# KiCad board panel.kicad_pcb (continued)
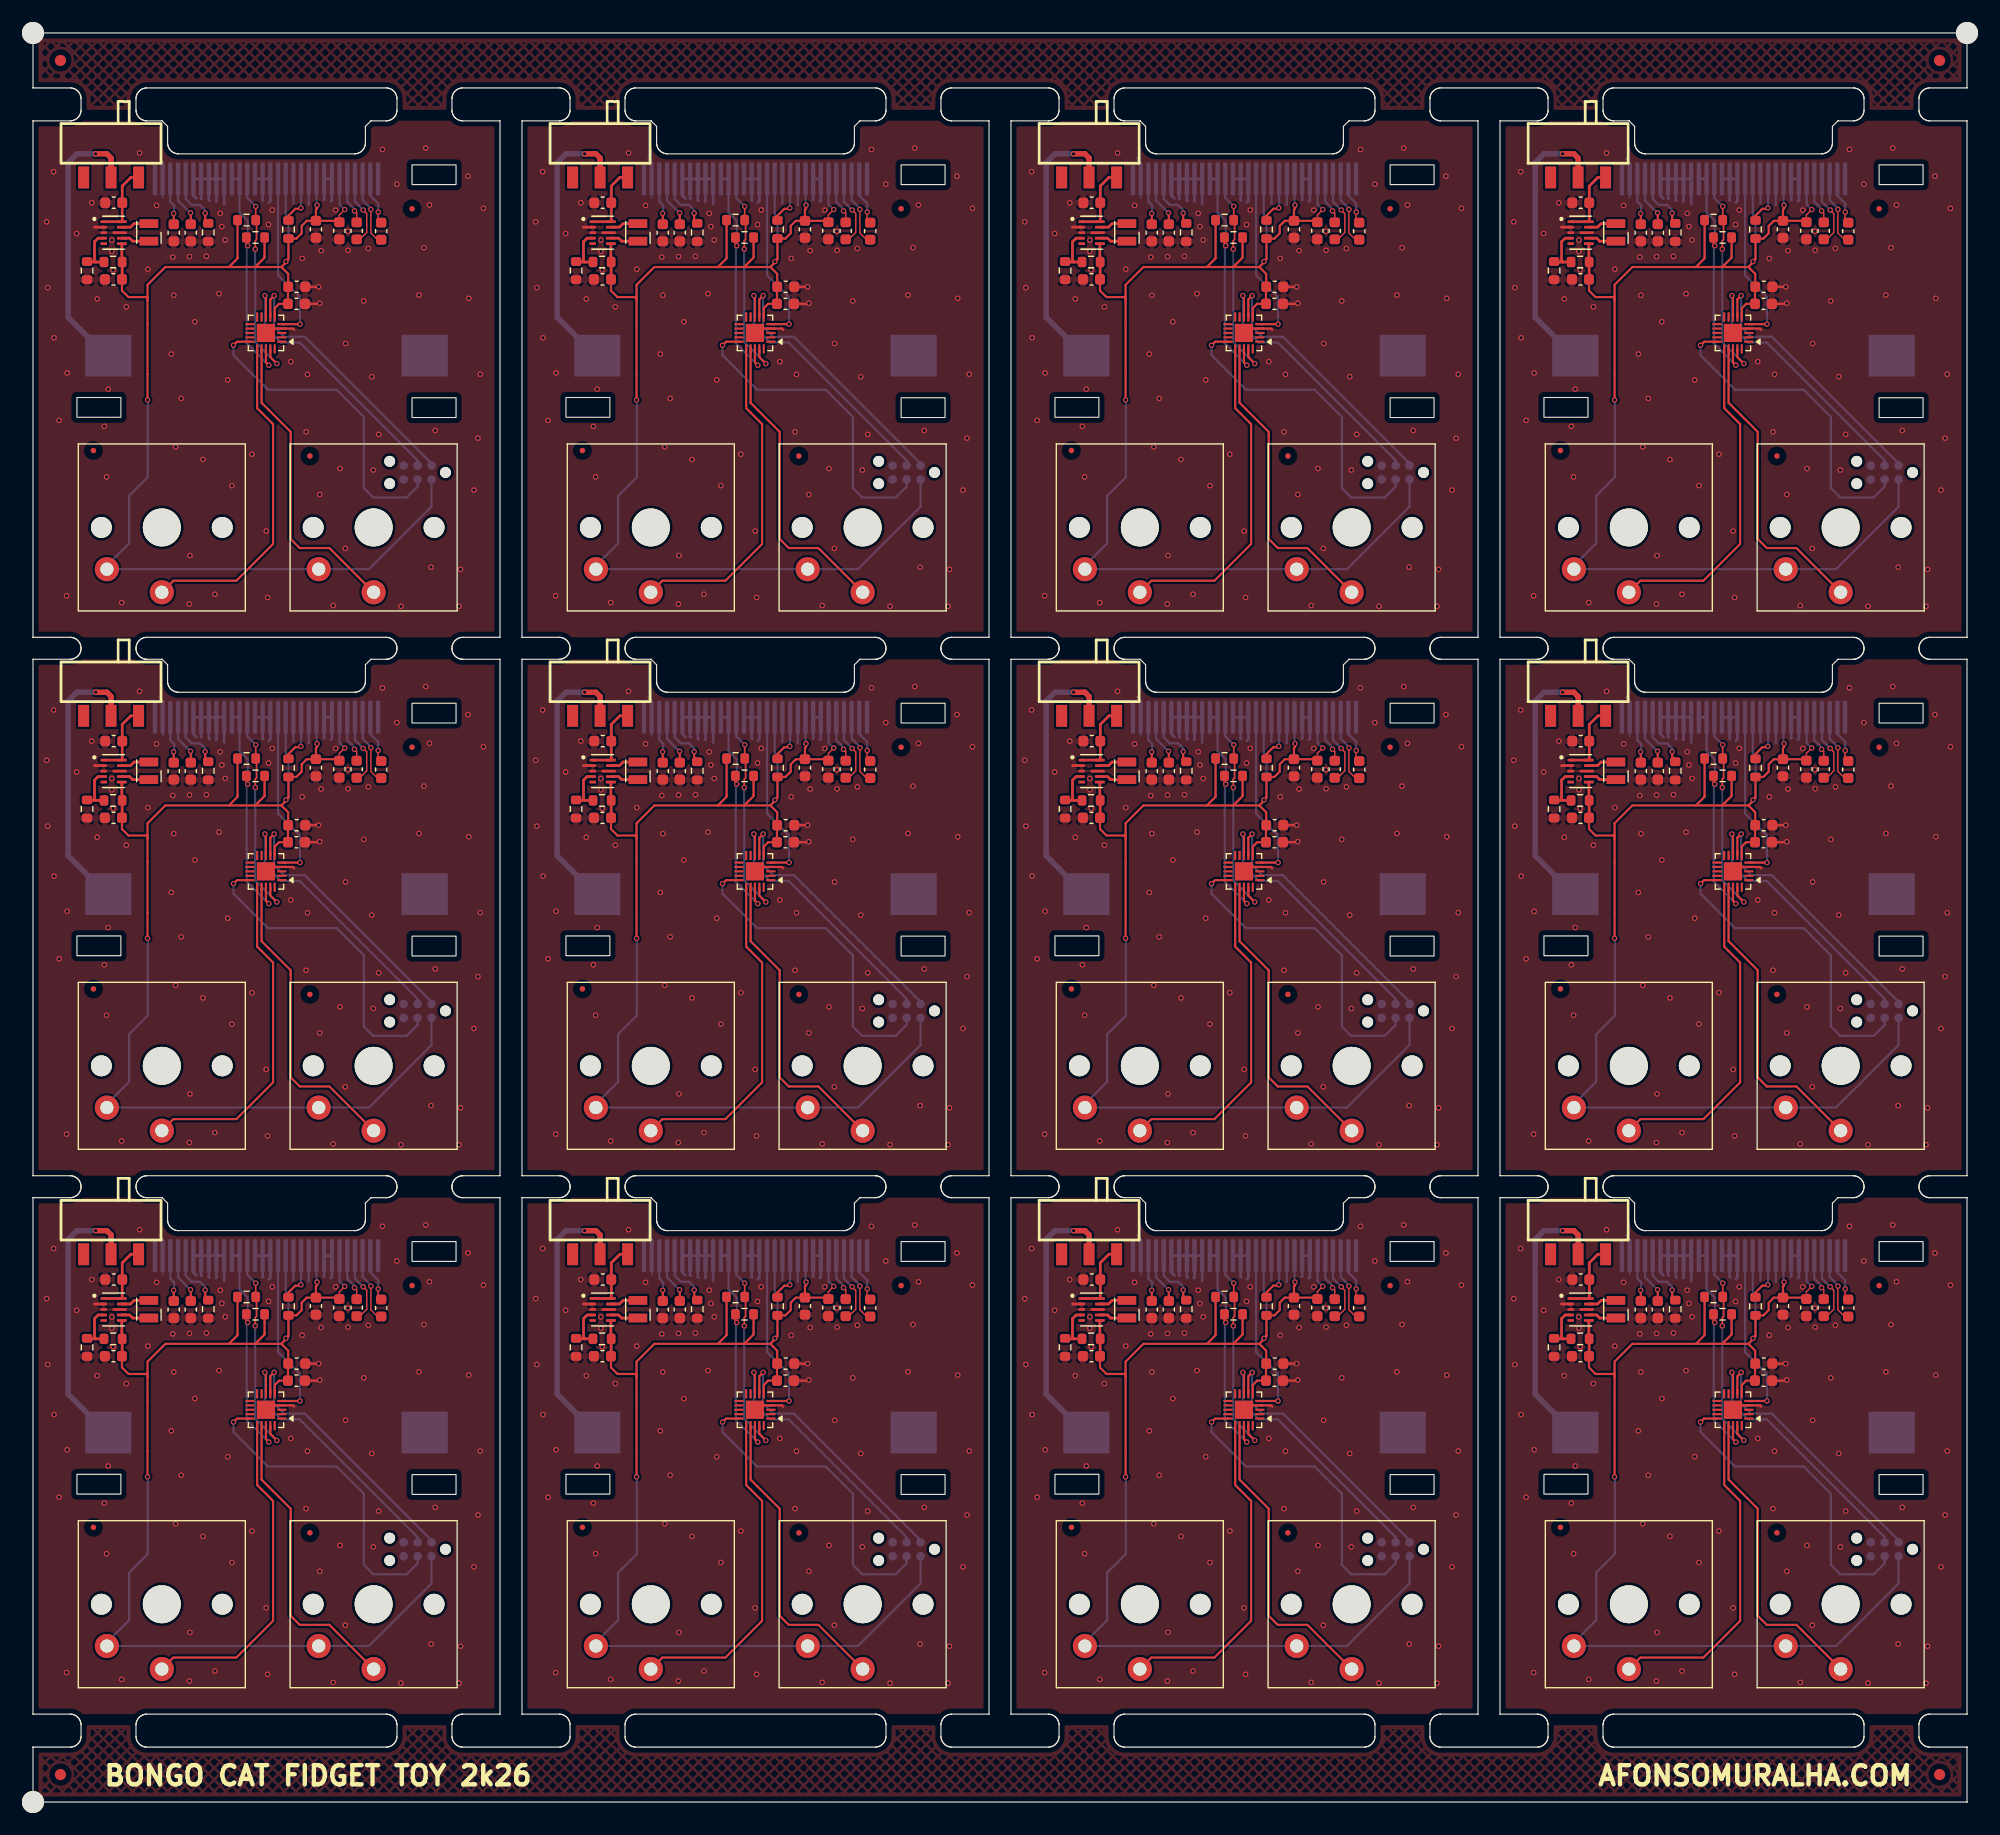
[diagram p0: board, top side]
## Routing (per net, layer and track width the routed paths; a pad name or vN(x,y) marks a point on that pad's centre or on a via; arc(x,y) is an arc through that point) (continued)
Board_0-/SDA: length 21.4
  Top w0.127: 19.55,142.56 19.64,142.65
  Top w0.152: v1(19.54,141.64) 19.42,141.76 R12#6.1
  Top w0.2: v1(21.46,130.76) 21.2,131.02 U2#5.18
  Bottom w0.127: 19.52,141.63 19.5,141.65
  Bottom w0.2: v1(19.54,141.64) 19.54,143.91 18.8,144.65 J1#10.19 ; v1(19.54,141.64) 19.45,141.55 19.45,132.77 v1(21.46,130.76) ; v1(19.54,141.64) 19.54,141.59
  Bottom w0.25: J1#10.20 J1#10.19
Board_0-/SW1: length 30.3
  Top w0.2: SW1.1 12.78,111.15 18.51,111.15 21.85,114.49 21.85,125.4 20.4,126.85 U2#5.16
Board_0-/SW2: length 28
  Top w0.2: U2#5.17 20.8,127.35 23.45,124.7 23.45,114.95 24.28,114.13 26.97,114.13 SW2#10.1
Board_0-/SWCLK: length 24.2
  Top w0.2: v1(21.1,137.1) 21.2,137 U2#5.8
  Bottom w0.2: v1(21.1,137.1) 21.1,134.3 22.58,132.83 24.28,132.83 35,122.1 J4#12.4
Board_0-/SWDIO: length 24.6
  Top w0.2: v1(21.95,137.1) 21.6,136.75 U2#5.7
  Bottom w0.2: v1(21.95,137.1) 21.95,134.25 22.85,133.35 24.74,133.35 36.27,121.82 J4#12.2
Board_0-GND: length 38.1
  Top w0.2: C3#9.2 v1(26,137.9) ; C4#12.2 26.05,136.35 v1(26.1,136.4) ; 23.77,133.98 23.65,134.1 U2#5.4 21.6,134.1 U2#5.21
  Top w0.25: 5.6,143.33 U101#12.2 ; 6.5,138.39 6.58,138.31
  Bottom w0.127: 11.8,146 11.8,149.25 11.45,149.6 ; 28.51,141.22 28.6,141.31
  Bottom w0.2: J1#10.12 23.7,145.53 23.67,145.5 ; J1#10.10 25.1,145.38 25.08,145.35
  Bottom w0.25: 17.4,145.43 J1#10.21 J1#10.22 ; 16.08,145.73 16,145.8 J1#10.23 ; J1#10.17 J1#10.16 ; J1#10.16 J1#10.15 21.6,145.73 21.45,145.58 ; J1#10.16 20.9,145.8 20.95,145.75 ; 14.88,145.93 14.6,146.2 J1#10.25 J1#10.24 ; 26.47,145.8 26.5,145.83 J1#10.8 J1#10.7 27.2,145.78 27.1,145.68 ; J1#10.24 J1#10.23 ; J1#10.24 15.3,145.95 15.35,145.9 ; J1#10.23 J1#10.22 ; J1#10.22 16.7,145.73 16.65,145.68
  vias: v1(1.25,143.81) v1(1.35,137.82) v1(1.88,148.38) v1(1.92,133.26) v1(2.38,125.74) v1(3.11,130.06) v1(3.06,109.78) v1(3.97,142.75) v1(5.35,145.55) v1(5.85,136.8) v1(6.49,125.2) v1(6.7,120.6) v1(6.85,128.58) v1(7.17,142.15) v1(7.17,141.13) v1(7.3,139.43) v1(8.07,109.16) v1(8.5,136.08) v1(9.7,150.08) v1(10.45,139.5) v1(11.25,145.3) v1(12.59,131.78) v1(12.72,140.6) v1(12.82,137.13) v1(12.99,123.33) v1(13.49,127.74) v1(14.23,109.02) v1(14.25,140.65) v1(14.29,113.44) v1(14.73,134.72) v1(15.47,122.18) v1(15.78,140.68) v1(16.56,109.92) v1(16.93,137.27) v1(17.04,144.58) v1(17.19,143.38) v1(17.49,142.16) v1(17.72,129.43) v1(18.1,119.8) v1(19.92,122.66) v1(21.22,115.67) v1(21.35,109.62) v1(21.44,143.56) v1(21.77,144.89) v1(23.46,131.09) v1(24.5,140.48) v1(24.85,124.7) v1(24.98,129.93) v1(26.1,119) v1(26.22,141.19) v1(27.32,108.89) v1(27.55,144.88) v1(27.94,121.36) v1(28.42,114.09) v1(28.45,132.74) v1(28.65,142.95) v1(28.68,141.22) v1(30.1,136.61) v1(30.52,141.39) v1(30.83,129.72) v1(30.97,121.22) v1(31.46,124.47) v1(31.8,150.4) v1(33.11,147.24) v1(33.49,108.82) v1(35.12,137.15) v1(35.58,141.46) v1(35.74,150.52) v1(36.08,145.35) v1(36.23,112.38) v1(36.61,124.82) v1(38.77,108.82) v1(38.91,112.18) v1(39.58,147.97) v1(39.66,136.85) v1(40.12,119.4) v1(40.5,124.12) v1(40.7,129.94) v1(40.99,145.04)
Board_0-Net-(BT1-+): length 25.3
  Top w0.5: SW5#9.2 7.11,149.62 6.72,150 v1(5.7,150)
  Bottom w0.5: v1(5.7,150) 4,150 3.2,149.2 3.2,135.12 6.69,131.63 BT1#11.1
Board_0-Net-(J1-Pin_2): length 4.3
  Top w0.127: v1(31.42,144.7) 31.4,144.68 31.4,143.73
  Bottom w0.2: J1#10.2 30.7,146.2 31.42,145.48 v1(31.42,144.7)
Board_0-Net-(J1-Pin_3): length 6.4
  Top w0.127: C9#9.1 31.36,142.19 30.75,142.79 v1(30.75,144.95)
  Bottom w0.2: v1(30.75,144.95) 30.75,145.04 30,145.79 J1#10.3
Board_0-Net-(J1-Pin_4): length 6.5
  Top w0.127: C8#3.2 29.75,142.22 30.37,142.84 30.37,144.57 v1(30.05,144.89)
  Bottom w0.2: J1#10.4 29.3,145.65 30.05,144.9 v1(30.05,144.89)
Board_0-Net-(J1-Pin_5): length 4.3
  Top w0.127: C8#3.1 29.46,144.61 v1(29.26,144.81)
  Bottom w0.2: v1(29.26,144.81) 29.26,144.99 28.6,145.65 J1#10.5
Board_0-Net-(J1-Pin_26): length 5
  Top w0.15: 15.67,143.9 15.65,143.88
  Top w0.2: v1(15.67,144.6) 15.67,143.9
  Bottom w0.2: v1(15.67,144.6) 15.67,144.88 15.2,145.35 14.45,145.35 13.9,145.9 J1#10.26
Board_0-Net-(J1-Pin_27): length 4.6
  Top w0.15: 14.36,144.61 v1(14.34,144.63)
  Top w0.2: C12#11.2 14.36,144.61
  Bottom w0.2: J1#10.27 13.2,145.75 14.32,144.63 v1(14.34,144.63)
Board_0-Net-(J1-Pin_28): length 4.3
  Top w0.15: 12.81,144.57 v1(12.8,144.58)
  Top w0.2: C13#12.2 12.81,144.57
  Bottom w0.2: J1#10.28 12.5,145.65 12.85,145.3 12.85,144.63 v1(12.8,144.58)
Board_0-Net-(SW5-A): length 6.7
  Top w0.25: SW5#9.3 8.9,147.85 8.12,147.08 C1#7.1 8.12,143.86 U101#12.10 U101#12.1
Board_0-Net-(U101-FB): length 4.4
  Top w0.25: U101#12.4 5.92,142.33 5.6,142 5.6,140.28 5.72,140.16 ; 5.72,140.16 R6#4.2 ; 5.72,140.16 4.97,140.16 R4#6.1
Board_0-Net-(U101-L1): length 2.6
  Top w0.25: U101#12.9 8.88,143.33 9.2,143.65 L102#10.1
Board_0-Net-(U101-L2): length 2.6
  Top w0.25: U101#12.7 8.8,142.33 9.08,142.05 9.07,142.05 L102#10.2
Board_1-3V3: length 120.2
  Top w0.127: v1(72.87,144.93) 72.38,144.44 C10#11.2 72.38,143.54
  Top w0.2: 62.33,139.7 56.55,139.7 54.92,138.08 54.92,136.65 ; 62.33,139.7 64.72,139.7 ; 62.33,139.7 63.11,140.49 R13.2 ; 64.72,139.7 65.58,140.55 R12#2.2 ; 64.72,139.7 67.1,139.7 ; 67.1,139.7 67.72,139.08 C3#8.1 67.7,137.88 C4#5.1 66.9,136.35 66.5,135.95 U2#8.6 ; 67.1,139.7 67.52,140.12 v1(67.52,140.2) 67.75,140.43 R101#6.2 ; C11#12.2 69.41,143.91 68.95,143.44 68.95,142.77 68.47,142.29 R101#6.2 ; C11#12.2 70.25,144.92 70.35,145.02 v1(70.35,145.33) ; C11#12.2 72.25,143.91 C10#11.2 ; C11#12.2 70.25,143.89 ; R101#6.2 67.72,142.27 ; C2#3.1 52.6,137.55 53.19,136.96 54.92,136.96 v1(54.92,127.6) ; 72.38,143.54 72.29,143.63
  Top w0.25: 52.58,138.58 C2#3.1 52.61,138.59 R6#9.1 52.59,140.18 U101#4.6
  Bottom w0.2: v1(54.92,127.6) 54.95,127.58 54.95,120.58 53.25,118.88 53.25,114.55 51.22,112.53 SW1#2.2 SW2#7.2 75.07,112.2 80.77,117.9 J4#2.1 ; J1#12.6 72.4,145.4 v1(72.87,144.93) ; v1(70.35,145.33) 70.3,145.38 J1#12.9 ; J1#12.13 67.5,144.2 67.75,143.95 67.75,140.43 v1(67.52,140.2)
Board_1-/BS1: length 4.5
  Top w0.2: v1(68.88,145.08) 68.8,145 68.38,145 67.75,144.38 R101#6.1
  Bottom w0.2: v1(68.88,145.08) 68.88,145.43 68.9,145.45 J1#12.11
Board_1-/OLED_RST: length 15.7
  Top w0.2: U2#8.5 v1(68.8,134.5)
  Bottom w0.2: J1#12.14 66.8,138.95 68.8,136.95 v1(68.8,134.5)
Board_1-/RST: length 29.5
  Top w0.2: v1(62.75,132.58) 63.07,132.9 U2#8.15
  Bottom w0.2: J4#2.3 79.5,119.72 78.51,118.73 75.46,118.73 74.61,119.58 74.61,126.06 72.14,128.53 65.89,128.53 62.75,131.67 v1(62.75,132.58)
Board_1-/SCL: length 19.8
  Top w0.127: v1(64.73,141.33) 64.65,141.41
  Top w0.152: v1(64.77,145.22) 64.77,144.06 64.84,143.98 64.84,142.21 64.73,142.09 v1(64.73,141.33)
  Top w0.2: v1(66.69,130.91) 66.1,131.5 U2#8.19
  Bottom w0.15: 64.7,141.45 64.72,141.43
  Bottom w0.2: v1(64.73,141.33) 64.73,132.87 v1(66.69,130.91) ; v1(64.77,145.22) 64,145.99 J1#12.18
Board_1-/SDA: length 21.4
  Top w0.127: 64.05,142.56 64.14,142.65
  Top w0.152: v1(64.04,141.64) 63.92,141.76 R12#2.1
  Top w0.2: U2#8.18 65.7,131.02 v1(65.96,130.76)
  Bottom w0.127: 64.02,141.63 64,141.65
  Bottom w0.2: v1(64.04,141.64) 63.95,141.55 63.95,132.77 v1(65.96,130.76) ; v1(64.04,141.64) 64.04,143.91 63.3,144.65 J1#12.19 ; v1(64.04,141.64) 64.04,141.59
  Bottom w0.25: J1#12.20 J1#12.19
Board_1-/SW1: length 30.3
  Top w0.2: U2#8.16 64.9,126.85 66.35,125.4 66.35,114.49 63.01,111.15 57.28,111.15 SW1#2.1
Board_1-/SW2: length 28
  Top w0.2: SW2#7.1 71.47,114.13 68.78,114.13 67.95,114.95 67.95,124.7 65.3,127.35 U2#8.17
Board_1-/SWCLK: length 24.2
  Top w0.2: v1(65.6,137.1) 65.7,137 U2#8.8
  Bottom w0.2: J4#2.4 79.5,122.1 68.78,132.83 67.08,132.83 65.6,134.3 v1(65.6,137.1)
Board_1-/SWDIO: length 24.6
  Top w0.2: v1(66.45,137.1) 66.1,136.75 U2#8.7
  Bottom w0.2: v1(66.45,137.1) 66.45,134.25 67.35,133.35 69.24,133.35 80.77,121.82 J4#2.2
Board_1-GND: length 38.1
  Top w0.2: v1(70.6,136.4) 70.55,136.35 C4#5.2 ; 68.27,133.98 68.15,134.1 U2#8.4 66.1,134.1 U2#8.21 ; C3#8.2 v1(70.5,137.9)
  Top w0.25: 51,138.39 51.08,138.31 ; 50.1,143.33 U101#4.2
  Bottom w0.127: 56.3,146 56.3,149.25 55.95,149.6 ; 73.01,141.22 73.1,141.31
  Bottom w0.2: 69.57,145.35 69.6,145.38 J1#12.10 ; 68.18,145.5 68.2,145.53 J1#12.12
  Bottom w0.25: J1#12.22 61.2,145.73 61.15,145.68 ; J1#12.22 J1#12.23 ; J1#12.22 J1#12.21 61.9,145.43 ; 59.38,145.93 59.1,146.2 J1#12.25 J1#12.24 ; J1#12.23 J1#12.24 ; J1#12.23 60.5,145.8 60.58,145.73 ; J1#12.17 J1#12.16 ; J1#12.16 J1#12.15 66.1,145.73 65.95,145.58 ; J1#12.16 65.4,145.8 65.45,145.75 ; 71.6,145.68 71.7,145.78 J1#12.7 J1#12.8 71,145.83 70.97,145.8 ; 59.85,145.9 59.8,145.95 J1#12.24
  vias: v1(45.75,143.81) v1(45.85,137.82) v1(46.38,148.38) v1(46.42,133.26) v1(46.88,125.74) v1(47.61,130.06) v1(47.56,109.78) v1(48.47,142.75) v1(49.85,145.55) v1(50.35,136.8) v1(50.99,125.2) v1(51.2,120.6) v1(51.35,128.58) v1(51.67,142.15) v1(51.67,141.13) v1(51.8,139.43) v1(52.57,109.16) v1(53,136.08) v1(54.2,150.08) v1(54.95,139.5) v1(55.75,145.3) v1(57.09,131.78) v1(57.22,140.6) v1(57.32,137.13) v1(57.49,123.33) v1(57.99,127.74) v1(58.75,140.65) v1(58.73,109.02) v1(58.79,113.44) v1(59.23,134.72) v1(59.97,122.18) v1(60.28,140.68) v1(61.06,109.92) v1(61.43,137.27) v1(61.54,144.58) v1(61.69,143.38) v1(61.99,142.16) v1(62.22,129.43) v1(62.6,119.8) v1(64.42,122.66) v1(65.72,115.67) v1(65.85,109.62) v1(65.94,143.56) v1(66.27,144.89) v1(67.96,131.09) v1(69,140.48) v1(69.35,124.7) v1(69.48,129.93) v1(70.6,119) v1(70.72,141.19) v1(71.82,108.89) v1(72.05,144.88) v1(72.44,121.36) v1(72.95,132.74) v1(72.92,114.09) v1(73.15,142.95) v1(73.18,141.22) v1(74.6,136.61) v1(75.02,141.39) v1(75.33,129.72) v1(75.47,121.22) v1(75.96,124.47) v1(76.3,150.4) v1(77.61,147.24) v1(77.99,108.82) v1(79.62,137.15) v1(80.08,141.46) v1(80.24,150.52) v1(80.58,145.35) v1(80.73,112.38) v1(81.11,124.82) v1(83.27,108.82) v1(83.41,112.18) v1(84.08,147.97) v1(84.16,136.85) v1(84.62,119.4) v1(85,124.12) v1(85.2,129.94) v1(85.49,145.04)
Board_1-Net-(BT1-+): length 25.3
  Top w0.5: SW5.2 51.61,149.62 51.22,150 v1(50.2,150)
  Bottom w0.5: v1(50.2,150) 48.5,150 47.7,149.2 47.7,135.12 51.19,131.63 BT1#4.1
Board_1-Net-(J1-Pin_2): length 4.3
  Top w0.127: v1(75.92,144.7) 75.9,144.68 75.9,143.73
  Bottom w0.2: v1(75.92,144.7) 75.92,145.48 75.2,146.2 J1#12.2
Board_1-Net-(J1-Pin_3): length 6.4
  Top w0.127: v1(75.25,144.95) 75.25,142.79 75.85,142.19 C9.1
  Bottom w0.2: v1(75.25,144.95) 75.25,145.04 74.5,145.79 J1#12.3
Board_1-Net-(J1-Pin_4): length 6.5
  Top w0.127: C8#7.2 74.25,142.22 74.87,142.84 74.87,144.57 v1(74.55,144.89)
  Bottom w0.2: v1(74.55,144.89) 74.55,144.9 73.8,145.65 J1#12.4
Board_1-Net-(J1-Pin_5): length 4.3
  Top w0.127: v1(73.76,144.81) 73.96,144.61 C8#7.1
  Bottom w0.2: J1#12.5 73.1,145.65 73.76,144.99 v1(73.76,144.81)
Board_1-Net-(J1-Pin_26): length 5
  Top w0.15: 60.17,143.9 60.15,143.88
  Top w0.2: v1(60.17,144.6) 60.17,143.9
  Bottom w0.2: J1#12.26 58.4,145.9 58.95,145.35 59.7,145.35 60.17,144.88 v1(60.17,144.6)
Board_1-Net-(J1-Pin_27): length 4.6
  Top w0.15: 58.86,144.61 v1(58.84,144.63)
  Top w0.2: C12#7.2 58.86,144.61
  Bottom w0.2: v1(58.84,144.63) 58.82,144.63 57.7,145.75 J1#12.27
Board_1-Net-(J1-Pin_28): length 4.3
  Top w0.15: 57.31,144.57 v1(57.3,144.58)
  Top w0.2: C13.2 57.31,144.57
  Bottom w0.2: J1#12.28 57,145.65 57.35,145.3 57.35,144.63 v1(57.3,144.58)
Board_1-Net-(SW5-A): length 6.7
  Top w0.25: U101#4.1 U101#4.10 52.62,143.86 C1#12.1 52.62,147.08 53.4,147.85 SW5.3
Board_1-Net-(U101-FB): length 4.4
  Top w0.25: 50.22,140.16 49.47,140.16 R4#5.1 ; 50.22,140.16 R6#9.2 ; 50.22,140.16 50.1,140.28 50.1,142 50.42,142.33 U101#4.4
Board_1-Net-(U101-L1): length 2.6
  Top w0.25: U101#4.9 53.38,143.33 53.7,143.65 L102#6.1
Board_1-Net-(U101-L2): length 2.6
  Top w0.25: L102#6.2 53.57,142.05 53.58,142.05 53.3,142.33 U101#4.7
Board_2-3V3: length 120.2
  Top w0.127: 116.88,143.54 C10#3.2 116.88,144.44 v1(117.37,144.93)
  Top w0.2: 111.6,139.7 109.22,139.7 ; 111.6,139.7 112.22,139.08 C3#12.1 112.2,137.88 C4#10.1 111.4,136.35 111,135.95 U2#4.6 ; 111.6,139.7 112.02,140.12 v1(112.02,140.2) 112.25,140.43 R101#12.2 ; C11#7.2 114.75,143.89 ; C11#7.2 116.75,143.91 C10#3.2 ; C11#7.2 113.91,143.91 113.45,143.44 113.45,142.77 112.97,142.29 R101#12.2 ; C11#7.2 114.75,144.92 114.85,145.02 v1(114.85,145.33) ; 106.82,139.7 109.22,139.7 ; 106.82,139.7 107.62,140.49 R13#4.2 ; 106.82,139.7 101.05,139.7 99.43,138.08 99.43,136.65 ; 109.22,139.7 110.07,140.55 R12#12.2 ; R101#12.2 112.22,142.27 ; 116.88,143.54 116.79,143.63 ; v1(99.43,127.6) 99.43,136.96 97.69,136.96 97.1,137.55 C2#10.1
  Top w0.25: 97.07,138.58 C2#10.1 97.12,138.59 97.12,140.16 97.09,140.18 U101#5.6
  Bottom w0.2: v1(117.37,144.93) 116.9,145.4 J1#9.6 ; v1(114.85,145.33) 114.8,145.38 J1#9.9 ; J4#9.1 125.27,117.9 119.57,112.2 SW2#5.2 SW1#9.2 95.72,112.53 97.75,114.55 97.75,118.88 99.45,120.58 99.45,127.58 v1(99.43,127.6) ; v1(112.02,140.2) 112.25,140.43 112.25,143.95 112,144.2 J1#9.13
Board_2-/BS1: length 4.5
  Top w0.2: R101#12.1 112.25,144.38 112.88,145 113.3,145 v1(113.38,145.08)
  Bottom w0.2: J1#9.11 113.4,145.45 113.38,145.43 v1(113.38,145.08)
Board_2-/OLED_RST: length 15.7
  Top w0.2: U2#4.5 v1(113.3,134.5)
  Bottom w0.2: v1(113.3,134.5) 113.3,136.95 111.3,138.95 J1#9.14
Board_2-/RST: length 29.5
  Top w0.2: v1(107.25,132.58) 107.57,132.9 U2#4.15
  Bottom w0.2: v1(107.25,132.58) 107.25,131.67 110.39,128.53 116.64,128.53 119.11,126.06 119.11,119.58 119.96,118.73 123.01,118.73 124,119.72 J4#9.3
Board_2-/SCL: length 19.8
  Top w0.127: v1(109.23,141.33) 109.15,141.41
  Top w0.152: v1(109.27,145.22) 109.27,144.06 109.34,143.98 109.34,142.21 109.23,142.09 v1(109.23,141.33)
  Top w0.2: v1(111.19,130.91) 110.6,131.5 U2#4.19
  Bottom w0.15: 109.2,141.45 109.22,141.43
  Bottom w0.2: v1(109.27,145.22) 108.5,145.99 J1#9.18 ; v1(109.23,141.33) 109.23,132.87 v1(111.19,130.91)
Board_2-/SDA: length 21.4
  Top w0.127: 108.55,142.56 108.64,142.65
  Top w0.152: v1(108.54,141.64) 108.43,141.76 R12#12.1
  Top w0.2: U2#4.18 110.2,131.02 v1(110.46,130.76)
  Bottom w0.127: 108.52,141.63 108.5,141.65
  Bottom w0.2: v1(110.46,130.76) 108.45,132.77 108.45,141.55 v1(108.54,141.64) ; J1#9.19 107.8,144.65 108.54,143.91 v1(108.54,141.64) ; 108.54,141.59 v1(108.54,141.64)
  Bottom w0.25: J1#9.20 J1#9.19
Board_2-/SW1: length 30.3
  Top w0.2: SW1#9.1 101.78,111.15 107.51,111.15 110.85,114.49 110.85,125.4 109.4,126.85 U2#4.16
Board_2-/SW2: length 28
  Top w0.2: SW2#5.1 115.97,114.13 113.28,114.13 112.45,114.95 112.45,124.7 109.8,127.35 U2#4.17
Board_2-/SWCLK: length 24.2
  Top w0.2: U2#4.8 110.2,137 v1(110.1,137.1)
  Bottom w0.2: v1(110.1,137.1) 110.1,134.3 111.57,132.83 113.28,132.83 124,122.1 J4#9.4
Board_2-/SWDIO: length 24.6
  Top w0.2: U2#4.7 110.6,136.75 v1(110.95,137.1)
  Bottom w0.2: J4#9.2 125.27,121.82 113.74,133.35 111.85,133.35 110.95,134.25 v1(110.95,137.1)
Board_2-GND: length 38.1
  Top w0.2: U2#4.21 110.6,134.1 U2#4.4 112.65,134.1 112.77,133.98 ; C4#10.2 115.05,136.35 v1(115.1,136.4) ; C3#12.2 v1(115,137.9)
  Top w0.25: 94.6,143.33 U101#5.2 ; 95.5,138.39 95.58,138.31
  Bottom w0.127: 117.51,141.22 117.6,141.31 ; 100.8,146 100.8,149.25 100.45,149.6
  Bottom w0.2: J1#9.12 112.7,145.53 112.68,145.5 ; J1#9.10 114.1,145.38 114.07,145.35
  Bottom w0.25: J1#9.24 104.3,145.95 104.35,145.9 ; J1#9.24 J1#9.25 103.6,146.2 103.88,145.93 ; J1#9.24 J1#9.23 ; 106.4,145.43 J1#9.21 J1#9.22 ; 115.47,145.8 115.5,145.83 J1#9.8 J1#9.7 116.2,145.78 116.1,145.68 ; 105.65,145.68 105.7,145.73 J1#9.22 ; 109.95,145.75 109.9,145.8 J1#9.16 ; J1#9.23 J1#9.22 ; J1#9.23 105,145.8 105.07,145.73 ; 110.45,145.58 110.6,145.73 J1#9.15 J1#9.16 ; J1#9.16 J1#9.17
  vias: v1(90.25,143.81) v1(90.35,137.82) v1(90.88,148.38) v1(90.92,133.26) v1(91.38,125.74) v1(92.11,130.06) v1(92.06,109.78) v1(92.97,142.75) v1(94.35,145.55) v1(94.85,136.8) v1(95.49,125.2) v1(95.7,120.6) v1(95.85,128.58) v1(96.18,142.15) v1(96.18,141.13) v1(96.3,139.43) v1(97.07,109.16) v1(97.5,136.08) v1(98.7,150.08) v1(99.45,139.5) v1(100.25,145.3) v1(101.59,131.78) v1(101.72,140.6) v1(101.82,137.13) v1(101.99,123.33) v1(102.49,127.74) v1(103.23,109.02) v1(103.25,140.65) v1(103.29,113.44) v1(103.73,134.72) v1(104.47,122.18) v1(104.78,140.68) v1(105.56,109.92) v1(105.93,137.27) v1(106.04,144.58) v1(106.19,143.38) v1(106.49,142.16) v1(106.72,129.43) v1(107.1,119.8) v1(108.92,122.66) v1(110.22,115.67) v1(110.35,109.62) v1(110.44,143.56) v1(110.77,144.89) v1(112.46,131.09) v1(113.5,140.48) v1(113.85,124.7) v1(113.98,129.93) v1(115.1,119) v1(115.22,141.19) v1(116.32,108.89) v1(116.55,144.88) v1(116.94,121.36) v1(117.45,132.74) v1(117.42,114.09) v1(117.65,142.95) v1(117.68,141.22) v1(119.1,136.61) v1(119.52,141.39) v1(119.83,129.72) v1(119.97,121.22) v1(120.46,124.47) v1(120.8,150.4) v1(122.11,147.24) v1(122.49,108.82) v1(124.12,137.15) v1(124.58,141.46) v1(124.74,150.52) v1(125.08,145.35) v1(125.23,112.38) v1(125.61,124.82) v1(127.77,108.82) v1(127.91,112.18) v1(128.58,147.97) v1(128.66,136.85) v1(129.12,119.4) v1(129.5,124.12) v1(129.7,129.94) v1(129.99,145.04)
Board_2-Net-(BT1-+): length 25.3
  Top w0.5: SW5#12.2 96.11,149.62 95.72,150 v1(94.7,150)
  Bottom w0.5: v1(94.7,150) 93,150 92.2,149.2 92.2,135.12 95.69,131.63 BT1#6.1
Board_2-Net-(J1-Pin_2): length 4.3
  Top w0.127: v1(120.42,144.7) 120.4,144.68 120.4,143.73
  Bottom w0.2: J1#9.2 119.7,146.2 120.42,145.48 v1(120.42,144.7)
Board_2-Net-(J1-Pin_3): length 6.4
  Top w0.127: C9#12.1 120.35,142.19 119.75,142.79 v1(119.75,144.95)
  Bottom w0.2: v1(119.75,144.95) 119.75,145.04 119,145.79 J1#9.3
Board_2-Net-(J1-Pin_4): length 6.5
  Top w0.127: v1(119.05,144.89) 119.37,144.57 119.37,142.84 118.75,142.22 C8#5.2
  Bottom w0.2: J1#9.4 118.3,145.65 119.05,144.9 v1(119.05,144.89)
Board_2-Net-(J1-Pin_5): length 4.3
  Top w0.127: v1(118.26,144.81) 118.46,144.61 C8#5.1
  Bottom w0.2: v1(118.26,144.81) 118.26,144.99 117.6,145.65 J1#9.5
Board_2-Net-(J1-Pin_26): length 5
  Top w0.15: 104.67,143.9 104.65,143.88
  Top w0.2: v1(104.67,144.6) 104.67,143.9
  Bottom w0.2: v1(104.67,144.6) 104.67,144.88 104.2,145.35 103.45,145.35 102.9,145.9 J1#9.26
Board_2-Net-(J1-Pin_27): length 4.6
  Top w0.15: 103.36,144.61 v1(103.34,144.63)
  Top w0.2: C12.2 103.36,144.61
  Bottom w0.2: J1#9.27 102.2,145.75 103.32,144.63 v1(103.34,144.63)
Board_2-Net-(J1-Pin_28): length 4.3
  Top w0.15: 101.81,144.57 v1(101.8,144.58)
  Top w0.2: C13#5.2 101.81,144.57
  Bottom w0.2: J1#9.28 101.5,145.65 101.85,145.3 101.85,144.63 v1(101.8,144.58)
Board_2-Net-(SW5-A): length 6.7
  Top w0.25: SW5#12.3 97.9,147.85 97.12,147.08 C1#2.1 97.12,143.86 U101#5.10 U101#5.1
Board_2-Net-(U101-FB): length 4.4
  Top w0.25: U101#5.4 94.93,142.33 94.6,142 94.6,140.28 94.72,140.16 ; R4#10.1 93.97,140.16 94.72,140.16 ; 94.72,140.16 R6#8.2
Board_2-Net-(U101-L1): length 2.6
  Top w0.25: L102#3.1 98.2,143.65 97.88,143.33 U101#5.9
Board_2-Net-(U101-L2): length 2.6
  Top w0.25: U101#5.7 97.8,142.33 98.07,142.05 98.07,142.05 L102#3.2
Board_3-3V3: length 120.2
  Top w0.127: v1(161.87,144.93) 161.38,144.44 C10#5.2 161.38,143.54
  Top w0.2: v1(159.35,145.33) 159.35,145.02 159.25,144.92 C11#4.2 ; 143.93,136.65 143.93,138.08 145.55,139.7 151.32,139.7 ; 156.1,139.7 156.72,139.08 C3#6.1 156.7,137.88 C4#9.1 155.9,136.35 155.5,135.95 U2#9.6 ; 156.1,139.7 156.52,140.12 v1(156.52,140.2) 156.75,140.43 R101#9.2 ; 156.1,139.7 153.72,139.7 ; 153.72,139.7 151.32,139.7 ; 153.72,139.7 154.57,140.55 R12#4.2 ; 161.38,143.54 161.29,143.63 ; R13#8.2 152.12,140.49 151.32,139.7 ; C11#4.2 159.25,143.89 ; C11#4.2 161.25,143.91 C10#5.2 ; C11#4.2 158.41,143.91 157.95,143.44 157.95,142.77 157.47,142.29 R101#9.2 ; C2#8.1 141.6,137.55 142.19,136.96 143.93,136.96 v1(143.93,127.6) ; R101#9.2 156.72,142.27
  Top w0.25: U101#8.6 141.59,140.18 141.62,140.16 141.62,138.59 C2#8.1 141.57,138.58
  Bottom w0.2: J1#11.6 161.4,145.4 v1(161.87,144.93) ; J1#11.9 159.3,145.38 v1(159.35,145.33) ; J4#10.1 169.77,117.9 164.07,112.2 SW2#9.2 SW1#4.2 140.22,112.53 142.25,114.55 142.25,118.88 143.95,120.58 143.95,127.58 v1(143.93,127.6) ; J1#11.13 156.5,144.2 156.75,143.95 156.75,140.43 v1(156.52,140.2)
Board_3-/BS1: length 4.5
  Top w0.2: R101#9.1 156.75,144.38 157.38,145 157.8,145 v1(157.88,145.08)
  Bottom w0.2: v1(157.88,145.08) 157.88,145.43 157.9,145.45 J1#11.11
Board_3-/OLED_RST: length 15.7
  Top w0.2: U2#9.5 v1(157.8,134.5)
  Bottom w0.2: v1(157.8,134.5) 157.8,136.95 155.8,138.95 J1#11.14
Board_3-/RST: length 29.5
  Top w0.2: v1(151.75,132.58) 152.07,132.9 U2#9.15
  Bottom w0.2: J4#10.3 168.5,119.72 167.51,118.73 164.46,118.73 163.61,119.58 163.61,126.06 161.14,128.53 154.89,128.53 151.75,131.67 v1(151.75,132.58)
Board_3-/SCL: length 19.8
  Top w0.127: v1(153.73,141.33) 153.65,141.41
  Top w0.152: v1(153.73,141.33) 153.73,142.09 153.84,142.21 153.84,143.98 153.77,144.06 v1(153.77,145.22)
  Top w0.2: U2#9.19 155.1,131.5 v1(155.69,130.91)
  Bottom w0.15: 153.7,141.45 153.72,141.43
  Bottom w0.2: v1(155.69,130.91) 153.73,132.87 v1(153.73,141.33) ; v1(153.77,145.22) 153,145.99 J1#11.18
Board_3-/SDA: length 21.4
  Top w0.127: 153.05,142.56 153.14,142.65
  Top w0.152: R12#4.1 152.93,141.76 v1(153.04,141.64)
  Top w0.2: v1(154.96,130.76) 154.7,131.02 U2#9.18
  Bottom w0.127: 153.02,141.63 153,141.65
  Bottom w0.2: v1(154.96,130.76) 152.95,132.77 152.95,141.55 v1(153.04,141.64) ; v1(153.04,141.64) 153.04,141.59 ; v1(153.04,141.64) 153.04,143.91 152.3,144.65 J1#11.19
  Bottom w0.25: J1#11.20 J1#11.19
Board_3-/SW1: length 30.3
  Top w0.2: U2#9.16 153.9,126.85 155.35,125.4 155.35,114.49 152.01,111.15 146.28,111.15 SW1#4.1
Board_3-/SW2: length 28
  Top w0.2: SW2#9.1 160.47,114.13 157.78,114.13 156.95,114.95 156.95,124.7 154.3,127.35 U2#9.17
Board_3-/SWCLK: length 24.2
  Top w0.2: U2#9.8 154.7,137 v1(154.6,137.1)
  Bottom w0.2: v1(154.6,137.1) 154.6,134.3 156.07,132.83 157.78,132.83 168.5,122.1 J4#10.4
Board_3-/SWDIO: length 24.6
  Top w0.2: U2#9.7 155.1,136.75 v1(155.45,137.1)
  Bottom w0.2: J4#10.2 169.77,121.82 158.24,133.35 156.35,133.35 155.45,134.25 v1(155.45,137.1)
Board_3-GND: length 38.1
  Top w0.2: 157.27,133.98 157.15,134.1 U2#9.4 155.1,134.1 U2#9.21 ; C3#6.2 v1(159.5,137.9) ; C4#9.2 159.55,136.35 v1(159.6,136.4)
  Top w0.25: 140,138.39 140.08,138.31 ; 139.1,143.33 U101#8.2
  Bottom w0.127: 162.01,141.22 162.1,141.31 ; 145.3,146 145.3,149.25 144.95,149.6
  Bottom w0.2: J1#11.10 158.6,145.38 158.57,145.35 ; 157.18,145.5 157.2,145.53 J1#11.12
  Bottom w0.25: J1#11.16 J1#11.15 155.1,145.73 154.95,145.58 ; J1#11.16 J1#11.17 ; J1#11.16 154.4,145.8 154.45,145.75 ; J1#11.24 J1#11.23 ; J1#11.24 148.8,145.95 148.85,145.9 ; J1#11.24 J1#11.25 148.1,146.2 148.38,145.93 ; J1#11.23 149.5,145.8 149.57,145.73 ; J1#11.23 J1#11.22 ; 160.6,145.68 160.7,145.78 J1#11.7 J1#11.8 160,145.83 159.97,145.8 ; J1#11.22 J1#11.21 150.9,145.43 ; J1#11.22 150.2,145.73 150.15,145.68
  vias: v1(134.75,143.81) v1(134.85,137.82) v1(135.38,148.38) v1(135.42,133.26) v1(135.88,125.74) v1(136.61,130.06) v1(136.56,109.78) v1(137.47,142.75) v1(138.85,145.55) v1(139.35,136.8) v1(139.99,125.2) v1(140.2,120.6) v1(140.35,128.58) v1(140.68,142.15) v1(140.68,141.13) v1(140.8,139.43) v1(141.57,109.16) v1(142,136.08) v1(143.2,150.08) v1(143.95,139.5) v1(144.75,145.3) v1(146.09,131.78) v1(146.22,140.6) v1(146.32,137.13) v1(146.49,123.33) v1(146.99,127.74) v1(147.75,140.65) v1(147.73,109.02) v1(147.79,113.44) v1(148.23,134.72) v1(148.97,122.18) v1(149.28,140.68) v1(150.06,109.92) v1(150.43,137.27) v1(150.54,144.58) v1(150.69,143.38) v1(150.99,142.16) v1(151.22,129.43) v1(151.6,119.8) v1(153.42,122.66) v1(154.72,115.67) v1(154.85,109.62) v1(154.94,143.56) v1(155.27,144.89) v1(156.96,131.09) v1(158,140.48) v1(158.35,124.7) v1(158.48,129.93) v1(159.6,119) v1(159.72,141.19) v1(160.82,108.89) v1(161.05,144.88) v1(161.44,121.36) v1(161.95,132.74) v1(161.92,114.09) v1(162.15,142.95) v1(162.18,141.22) v1(163.6,136.61) v1(164.02,141.39) v1(164.33,129.72) v1(164.47,121.22) v1(164.96,124.47) v1(165.3,150.4) v1(166.61,147.24) v1(166.99,108.82) v1(168.62,137.15) v1(169.08,141.46) v1(169.24,150.52) v1(169.58,145.35) v1(169.73,112.38) v1(170.11,124.82) v1(172.27,108.82) v1(172.41,112.18) v1(173.08,147.97) v1(173.16,136.85) v1(173.62,119.4) v1(174,124.12) v1(174.2,129.94) v1(174.49,145.04)
Board_3-Net-(BT1-+): length 25.3
  Top w0.5: v1(139.2,150) 140.22,150 140.61,149.62 SW5#5.2
  Bottom w0.5: BT1#2.1 140.19,131.63 136.7,135.12 136.7,149.2 137.5,150 v1(139.2,150)
Board_3-Net-(J1-Pin_2): length 4.3
  Top w0.127: 164.9,143.73 164.9,144.68 v1(164.92,144.7)
  Bottom w0.2: v1(164.92,144.7) 164.92,145.48 164.2,146.2 J1#11.2
Board_3-Net-(J1-Pin_3): length 6.4
  Top w0.127: v1(164.25,144.95) 164.25,142.79 164.85,142.19 C9#8.1
  Bottom w0.2: v1(164.25,144.95) 164.25,145.04 163.5,145.79 J1#11.3
Board_3-Net-(J1-Pin_4): length 6.5
  Top w0.127: v1(163.55,144.89) 163.87,144.57 163.87,142.84 163.25,142.22 C8#12.2
  Bottom w0.2: J1#11.4 162.8,145.65 163.55,144.9 v1(163.55,144.89)
Board_3-Net-(J1-Pin_5): length 4.3
  Top w0.127: C8#12.1 162.96,144.61 v1(162.76,144.81)
  Bottom w0.2: v1(162.76,144.81) 162.76,144.99 162.1,145.65 J1#11.5
Board_3-Net-(J1-Pin_26): length 5
  Top w0.15: 149.17,143.9 149.15,143.88
  Top w0.2: v1(149.17,144.6) 149.17,143.9
  Bottom w0.2: v1(149.17,144.6) 149.17,144.88 148.7,145.35 147.95,145.35 147.4,145.9 J1#11.26
Board_3-Net-(J1-Pin_27): length 4.6
  Top w0.15: 147.86,144.61 v1(147.84,144.63)